# KiCad board Bread70.kicad_pcb
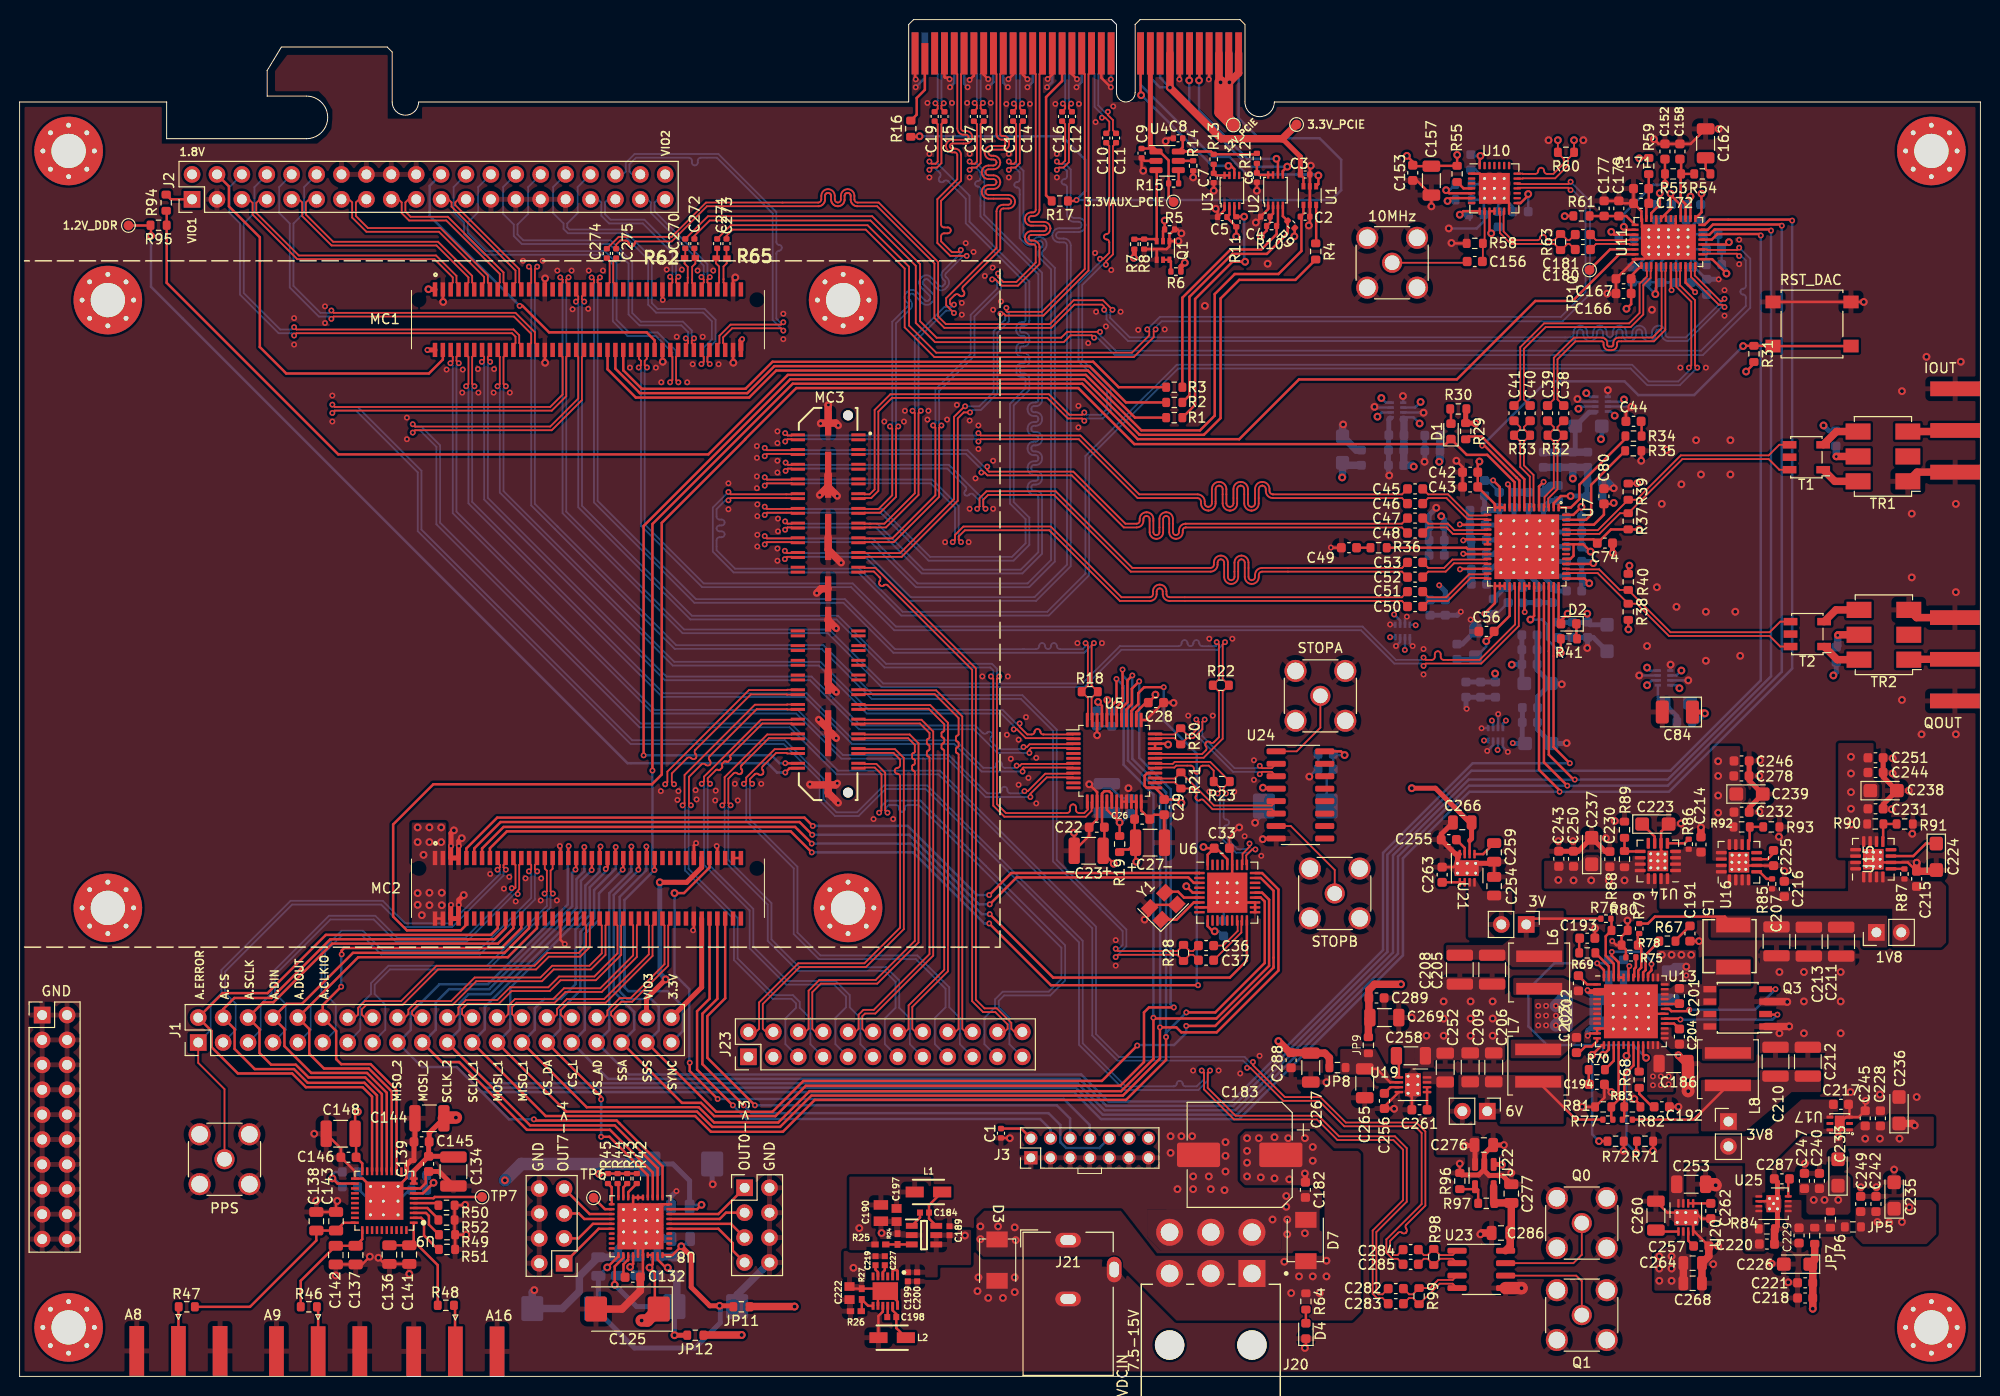
[diagram p0: board, top side]
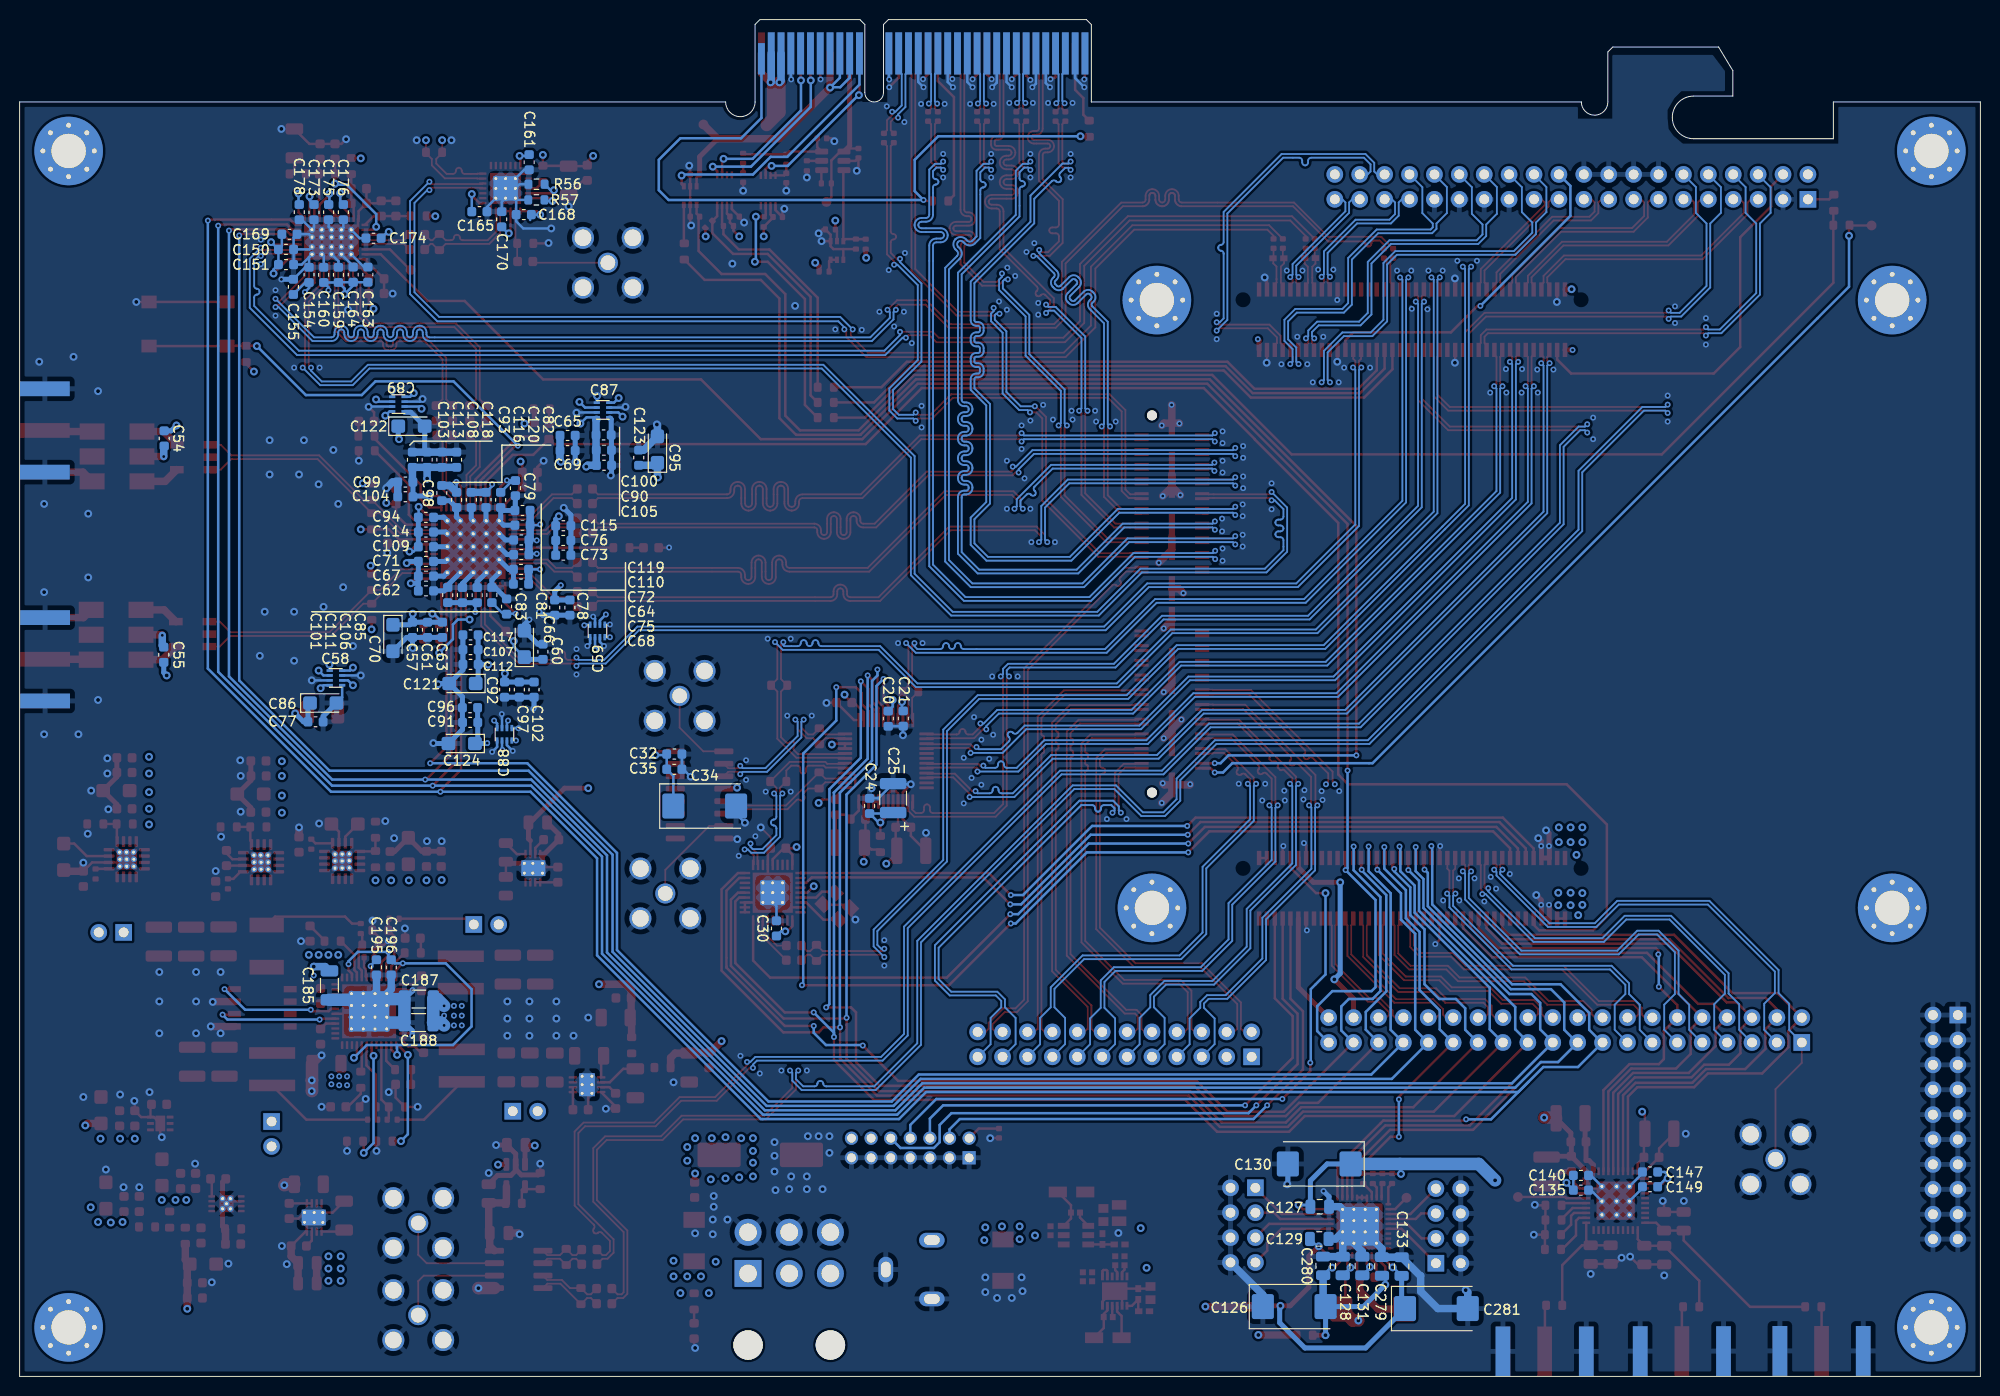
[diagram p1: board, bottom side, seen from below]

Outline 200 x 138.4 mm; copper layers: Top, In1.Cu, In2.Cu, In3.Cu, In4.Cu, Bottom. Coordinates in mm from the lower left corner of the outline.
Outline path: 90.69,130 40.7,130 arc(39.35,128.65) 38,130 38,135.1 37.5,135.6 26.7,135.6 25.25,133.2 25.25,130.6 29.25,130.6 arc(31.42,128.43) 29.25,126.25 15,126.25 15,130 0,130 0,0 200,0 200,130 127.99,130 arc(126.49,128.5) 124.99,130
Stack: Top 0.035mm / dielectric 0.1mm FR4 er 4.5 / In1.Cu 0.035mm / dielectric 0.535mm FR4 er 4.5 / In2.Cu 0.035mm / dielectric 0.1mm FR4 er 4.5 / In3.Cu 0.035mm / dielectric 0.535mm FR4 er 4.5 / In4.Cu 0.035mm / dielectric 0.1mm FR4 er 4.5 / Bottom 0.035mm

## Placement (name value [footprint] x y rotation side)
C1  0.1u_10V  [C_0402_1005Metric]  100.1 24.8 270 top
C2  0.1u_10V  [C_0402_1005Metric]  131.12 118.3 0 top
C3  0.1u_10V  [C_0402_1005Metric]  131.12 122.6 0 top
C4  0.1u_10V  [C_0402_1005Metric]  127.07 118.31 180 top
C5  0.1u_10V  [C_0402_1005Metric]  122.67 118.26 180 top
C6  0.1u_10V  [C_0402_1005Metric]  126.2 122.29 270 top
C7  0.1u_10V  [C_0402_1005Metric]  121.8 122.24 270 top
C8  0.1u_10V  [C_0402_1005Metric]  118.16 126.29 180 top
C9  0.1u_10V  [C_0402_1005Metric]  114.44 124.77 270 top
C10  0.1u_10V  [C_0402_1005Metric]  110.84 126.32 90 top
C11  0.1u_10V  [C_0402_1005Metric]  111.84 126.32 90 top
C12  0.1u_10V  [C_0402_1005Metric]  107.34 128.52 270 top
C13  0.1u_10V  [C_0402_1005Metric]  98.34 128.52 270 top
C14  0.1u_10V  [C_0402_1005Metric]  102.34 128.52 270 top
C15  0.1u_10V  [C_0402_1005Metric]  94.34 128.52 270 top
C16  0.1u_10V  [C_0402_1005Metric]  106.34 128.52 270 top
C17  0.1u_10V  [C_0402_1005Metric]  97.34 128.52 270 top
C18  0.1u_10V  [C_0402_1005Metric]  101.34 128.52 270 top
C19  0.1u_10V  [C_0402_1005Metric]  93.34 128.52 270 top
C20  1u_16V  [C_0603_1608Metric]  111.4 67.09 90 bottom
C21  1u_16V  [C_0603_1608Metric]  109.87 67.11 90 bottom
C22  1u_16V  [C_0603_1608Metric]  109.87 56.02 180 top
C23  100u_6.3V  [C_1210_3225Metric]  109.04 53.62 180 top
C24  1u_16V  [C_0603_1608Metric]  113.3 58.19 90 bottom
C25  100u_6.3V  [C_1210_3225Metric]  110.9 58.99 90 bottom
C26  1u_16V  [C_0603_1608Metric]  114.5 56.84 0 top
C27  100u_6.3V  [C_1210_3225Metric]  115.3 54.44 0 top
C28  1u_16V  [C_0603_1608Metric]  115.9 68.73 180 top
C29  1u_16V  [C_0603_1608Metric]  116.75 58.07 90 top
C30  1u_16V  [C_0603_1608Metric]  122.8 45.7 90 bottom
C32  1u_35V  [C_0603_1608Metric]  133.22 63.48 180 bottom
C33  1u_16V  [C_0603_1608Metric]  122.62 53.88 180 top
C34  10u_35V  [CP_EIA-7343-20_Kemet-V_Pad2.25x2.55mm_HandSolder]  130.12 58.18 180 bottom
C35  1n_50V  [C_0603_1608Metric]  133.22 61.93 180 bottom
C36  0.1u_50V  [C_0603_1608Metric]  121.02 43.94 180 top
C37  0.1u_50V  [C_0603_1608Metric]  121.02 42.45 180 top
C38  0.01u_25V  [C_0603_1608Metric]  157.5 98.25 90 top
C39  0.01u_25V  [C_0603_1608Metric]  155.85 98.25 90 top
C40  1u_6.3V  [C_0603_1608Metric]  154.07 98.25 90 top
C41  1u_6.3V  [C_0603_1608Metric]  152.43 98.25 90 top
C42  0.1u_100V  [C_0603_1608Metric]  147.96 92.23 180 top
C43  1n_50V  [C_0603_1608Metric]  147.96 90.73 180 top
C44  1u_6.3V  [C_0603_1608Metric]  164.62 97.42 0 top
C45  0.1u_6.3V  [C_0603_1608Metric]  142.34 90.53 0 top
C46  0.1u_6.3V  [C_0603_1608Metric]  142.34 89.03 0 top
C47  0.1u_6.3V  [C_0603_1608Metric]  142.34 87.55 0 top
C48  0.1u_6.3V  [C_0603_1608Metric]  142.34 86.03 0 top
C49  1u_6.3V  [C_0603_1608Metric]  135.59 84.53 180 top
C50  0.1u_6.3V  [C_0603_1608Metric]  142.34 78.53 0 top
C51  0.1u_6.3V  [C_0603_1608Metric]  142.34 80.05 0 top
C52  0.1u_6.3V  [C_0603_1608Metric]  142.34 81.53 0 top
C53  0.1u_6.3V  [C_0603_1608Metric]  142.34 83.03 0 top
C54  1u_10V  [C_0603_1608Metric]  185.25 95.68 270 bottom
C55  1u_10V  [C_0603_1608Metric]  185.3 73.61 90 bottom
C56  0.1u_16V  [C_0603_1608Metric]  149.62 75.99 0 top
C57  1000p_50V  [C_0603_1608Metric]  159.93 76.15 90 bottom
C58  47n_6.3V  [C_SMD_Arrayx4_0508]  167.1 70.5 0 bottom
C59  47n_6.3V  [C_SMD_Arrayx4_0508]  140.31 76.67 270 bottom
C60  1000p_50V  [C_0603_1608Metric]  146.62 73.92 270 bottom
C61  0.1u_16V  [C_0603_1608Metric]  158.4 76.15 90 bottom
C62  0.1u_16V  [C_0603_1608Metric]  158.56 80.13 0 bottom
C63  0.1u_16V  [C_0603_1608Metric]  156.88 76.15 90 bottom
C64  0.1u_16V  [C_0603_1608Metric]  148.83 83.83 180 bottom
C65  0.1u_16V  [C_0603_1608Metric]  144.11 95.98 0 bottom
C66  10u_10V  [CP_EIA-3216-18_Kemet-A]  148.52 74.72 90 bottom
C67  0.1u_16V  [C_0603_1608Metric]  158.56 81.63 0 bottom
C68  0.1u_16V  [C_0603_1608Metric]  148.85 80.83 180 bottom
C69  1000p_50V  [C_0603_1608Metric]  144.11 94.43 0 bottom
C70  10u_10V  [CP_EIA-3216-18_Kemet-A]  161.92 75.32 270 bottom
C71  1000p_50V  [C_0603_1608Metric]  158.56 83.13 0 bottom
C72  1000p_50V  [C_0603_1608Metric]  148.83 85.32 180 bottom
C73  0.1u_16V  [C_0603_1608Metric]  144.54 83.77 0 bottom
C74  1000p_50V  [C_0603_1608Metric]  161.7 85 180 top
C75  1000p_50V  [C_0603_1608Metric]  148.85 82.32 180 bottom
C76  1000p_50V  [C_0603_1608Metric]  144.54 85.27 0 bottom
C77  0.1u_16V  [C_0603_1608Metric]  169.81 66.77 0 bottom
C78  0.1u_16V  [C_0603_1608Metric]  143.87 78.42 90 bottom
C79  1000p_50V  [C_0603_1608Metric]  149.43 90.6 90 bottom
C80  1000p_50V  [C_0603_1608Metric]  161.6 89.78 270 top
C81  1000p_50V  [C_0603_1608Metric]  145.42 78.42 90 bottom
C82  1000p_50V  [C_0603_1608Metric]  150.93 89.4 90 bottom
C83  0.1u_16V  [C_0603_1608Metric]  150.33 78.53 270 bottom
C84  4.7u_35V  [CP_EIA-3528-21_Kemet-B]  169.09 67.77 180 top
C85  1000p_50V  [C_0603_1608Metric]  151.83 79.7 270 bottom
C86  10u_10V  [CP_EIA-3216-18_Kemet-A]  169.03 68.69 180 bottom
C87  47n_6.3V  [C_SMD_Arrayx4_0508]  139.86 97.83 0 bottom
C88  47n_6.3V  [C_SMD_Arrayx4_0508]  149.79 66.13 270 bottom
C89  47n_6.3V  [C_SMD_Arrayx4_0508]  162 99.93 180 bottom
C90  1000p_50V  [C_0603_1608Metric]  140.41 94.48 0 bottom
C91  0.1u_16V  [C_0603_1608Metric]  154.04 66.71 180 bottom
C92  0.1u_16V  [C_0603_1608Metric]  150.53 70.05 90 bottom
C93  0.1u_16V  [C_0603_1608Metric]  155.43 89.4 90 bottom
C94  0.1u_16V  [C_0603_1608Metric]  158.56 87.63 0 bottom
C95  0.1u_16V  [C_0603_1608Metric]  136.84 93.71 270 bottom
C96  0.1u_16V  [C_0603_1608Metric]  154.06 68.21 180 bottom
C97  0.1u_16V  [C_0603_1608Metric]  149.03 70.05 90 bottom
C98  0.1u_16V  [C_0603_1608Metric]  156.93 90.1 90 bottom
C99  0.1u_16V  [C_0603_1608Metric]  160.66 91.23 180 bottom
C100  0.1u_16V  [C_0603_1608Metric]  140.43 96.03 0 bottom
C101  0.1u_16V  [C_0603_1608Metric]  156.33 79.7 270 bottom
C102  1000p_50V  [C_0603_1608Metric]  147.53 70.05 90 bottom
C103  1000p_50V  [C_0603_1608Metric]  159.93 93.5 270 bottom
C104  1000p_50V  [C_0603_1608Metric]  160.66 89.73 180 bottom
C105  1000p_50V  [C_0603_1608Metric]  140.4 92.94 0 bottom
C106  1000p_50V  [C_0603_1608Metric]  153.33 79.69 270 bottom
C107  1000p_50V  [C_0603_1608Metric]  154.01 74.13 180 bottom
C108  1000p_50V  [C_0603_1608Metric]  156.93 93.5 270 bottom
C109  1000p_50V  [C_0603_1608Metric]  158.56 84.63 0 bottom
C110  1000p_50V  [C_0603_1608Metric]  148.71 86.83 180 bottom
C111  1000p_50V  [C_0603_1608Metric]  154.83 79.69 270 bottom
C112  0.1u_16V  [C_0603_1608Metric]  154.01 72.63 180 bottom
C113  0.1u_16V  [C_0603_1608Metric]  158.43 93.5 270 bottom
C114  1000p_50V  [C_0603_1608Metric]  158.56 86.13 0 bottom
C115  0.1u_16V  [C_0603_1608Metric]  144.55 86.77 0 bottom
C116  0.1u_16V  [C_0603_1608Metric]  153.93 89.4 90 bottom
C117  1000p_50V  [C_0603_1608Metric]  154.01 75.63 180 bottom
C118  1000p_50V  [C_0603_1608Metric]  155.43 93.5 270 bottom
C119  1000p_50V  [C_0603_1608Metric]  148.71 88.33 180 bottom
C120  1000p_50V  [C_0603_1608Metric]  152.43 89.4 90 bottom
C121  10u_10V  [CP_EIA-3216-18_Kemet-A]  154.83 70.68 0 bottom
C122  10u_10V  [CP_EIA-3216-18_Kemet-A]  160.03 96.93 180 bottom
C123  10u_10V  [CP_EIA-3216-18_Kemet-A]  134.94 94.54 90 bottom
C124  10u_10V  [CP_EIA-3216-18_Kemet-A]  154.91 64.56 0 bottom
C125  10u_35V  [CP_EIA-7343-20_Kemet-V_Pad2.25x2.55mm_HandSolder]  61.99 6.87 180 top
C126  10u_50V  [CP_EIA-7343-20_Kemet-V_Pad2.25x2.55mm_HandSolder]  69.99 7.12 180 bottom
C127  0.22u_50V  [C_0805_2012Metric]  67.39 17.31 180 bottom
C128  0.22u_50V  [C_0805_2012Metric]  65.04 11.26 90 bottom
C129  0.22u_100V  [C_0805_2012Metric]  67.44 14.02 180 bottom
C130  10u_35V  [CP_EIA-7343-20_Kemet-V_Pad2.25x2.55mm_HandSolder]  67.44 21.67 0 bottom
C131  330p_250V  [C_0805_2012Metric]  63.04 11.26 270 bottom
C132  220n_100V  [C_0603_1608Metric]  62.54 10.12 180 top
C133  0.22u_50V  [C_0805_2012Metric]  59.03 11.21 90 bottom
C134  22u_16V  [C_1210_3225Metric]  44.25 20.9 270 top
C135  0.22u_16V  [C_0603_1608Metric]  40.75 19 0 bottom
C136  1u_50V  [C_0805_2012Metric]  37.72 12.42 270 top
C137  1u_50V  [C_0805_2012Metric]  34.28 12.37 270 top
C138  1u_50V  [C_0805_2012Metric]  30.27 15.82 90 top
C139  0.47u_16V  [C_0603_1608Metric]  41.72 21.68 270 top
C140  2.2u_10V  [C_0603_1608Metric]  40.75 20.5 0 bottom
C141  0.1u_50V  [C_0805_2012Metric]  39.75 12.42 270 top
C142  0.1u_50V  [C_0805_2012Metric]  32.25 12.37 270 top
C143  0.1u_50V  [C_0805_2012Metric]  32.28 15.82 90 top
C144  22u_16V  [C_1210_3225Metric]  41.8 26.33 180 top
C145  0.47u_16V  [C_0603_1608Metric]  41 23.93 180 top
C146  0.47u_16V  [C_0603_1608Metric]  33.55 22.35 180 top
C147  2.2u_10V  [C_0603_1608Metric]  33.7 20.85 180 bottom
C148  22u_16V  [C_1210_3225Metric]  32.75 24.75 180 top
C149  0.22u_16V  [C_0603_1608Metric]  33.7 19.34 180 bottom
C150  0.01u_50V  [C_0603_1608Metric]  172.83 114.96 180 bottom
C151  0.1u_16V  [C_0603_1608Metric]  172.83 113.41 0 bottom
C152  0.85n_100V  [C_0603_1608Metric]  167.83 124.95 270 top
C153  1u_35V  [C_0603_1608Metric]  142.1 122.78 270 top
C154  0.01u_50V  [C_0603_1608Metric]  170.48 112.36 90 bottom
C155  0.1u_16V  [C_0603_1608Metric]  172.08 111.14 270 bottom
C156  1u_25V  [C_0603_1608Metric]  148.43 113.72 0 top
C157  10u_25V  [C_1206_3216Metric]  144 121.97 270 top
C158  1.28n_100V  [C_0603_1608Metric]  169.35 124.95 270 top
C159  0.01u_50V  [C_0603_1608Metric]  167.48 112.36 90 bottom
C160  0.1u_16V  [C_0603_1608Metric]  168.98 112.36 270 bottom
C161  0.1u_16V  [C_0603_1608Metric]  148.03 123.86 90 bottom
C162  61.3n_50V  [C_1206_3216Metric]  171.97 125.78 270 top
C163  0.01u_50V  [C_0603_1608Metric]  164.48 112.39 90 bottom
C164  0.1u_16V  [C_0603_1608Metric]  165.98 112.39 270 bottom
C165  0.1u_16V  [C_0603_1608Metric]  153.1 118.81 0 bottom
C166  0.01u_50V  [C_0603_1608Metric]  163.6 110.46 180 top
C167  0.1u_16V  [C_0603_1608Metric]  163.6 111.96 0 top
C168  0.1u_16V  [C_0603_1608Metric]  148.58 118.51 180 bottom
C169  0.01u_50V  [C_0603_1608Metric]  172.48 116.51 180 bottom
C170  0.1u_16V  [C_0603_1608Metric]  150.83 118.04 270 bottom
C171  1u_35V  [C_0603_1608Metric]  165.39 121.16 180 top
C172  0.01u_50V  [C_0603_1608Metric]  165.39 119.66 180 top
C173  0.47u_50V  [C_0603_1608Metric]  169.98 118.76 90 bottom
C174  0.1u_16V  [C_0603_1608Metric]  163.9 116.1 180 bottom
C175  1u_35V  [C_0603_1608Metric]  168.48 118.76 90 bottom
C176  1u_35V  [C_0603_1608Metric]  166.98 118.76 90 bottom
C177  1u_35V  [C_0603_1608Metric]  161.62 119.14 90 top
C178  0.01u_50V  [C_0603_1608Metric]  171.48 118.76 90 bottom
C179  0.01u_50V  [C_0603_1608Metric]  163.12 119.14 90 top
C180  1u_35V  [C_0603_1608Metric]  159.45 114.95 0 top
C181  1u_35V  [C_0603_1608Metric]  159.45 116.47 0 top
C182  0.1u_50V  [C_0603_1608Metric]  131.15 19.03 270 top
C183  220u_35V  [CP_Elec_10x10.5]  124.45 22.6 180 top
C184  0.1uF  [CAPC1005X55N]  92.3 16.71 180 top
C185  10u_25V  [C_1206_3216Metric]  168.4 39.89 270 bottom
C186  10u_25V  [C_1206_3216Metric]  168.7 31.9 0 top
C187  10u_25V  [C_1206_3216Metric]  159.28 38.49 0 bottom
C188  10u_25V  [C_1206_3216Metric]  159.3 36.09 0 bottom
C189  4.7 uF  [CAPC1005X55N]  94.85 14.86 270 top
C190  10 uF  [CAPC2012X145N]  87.85 16.66 270 top
C191  5000p_25V  [C_0603_1608Metric]  170.38 45.17 90 top
C192  10n_16V  [C_0603_1608Metric]  167.5 27.5 180 top
C193  1.7n_25V  [C_0603_1608Metric]  159.9 44.7 180 top
C194  1.7n_25V  [C_0603_1608Metric]  160.88 29.79 180 top
C195  1u_25V  [C_0603_1608Metric]  163.6 41.72 90 bottom
C196  1u_25V  [C_0603_1608Metric]  162.1 41.72 90 bottom
C197  22uF  [CAPC1608X100N]  89.45 16.46 270 top
C198  0.1uF  [CAPC1005X55N]  88.96 6.05 180 top
C199  4.7 uF  [CAPC1005X55N]  90.6 10.16 90 top
C200  4.7 uF  [CAPC1005X55N]  91.55 10.16 90 top
C201  0.1u_25V  [C_0603_1608Metric]  169.3 38.8 90 top
C202  0.1u_25V  [C_0603_1608Metric]  159 40.1 270 top
C203  0.1u_25V  [C_0603_1608Metric]  158.8 33.8 90 top
C204  0.1u_25V  [C_0603_1608Metric]  169.3 34.66 270 top
C205  22u_16V  [C_1210_3225Metric]  150.2 41.49 90 top
C206  10u_25V  [C_1206_3216Metric]  150.36 31.53 270 top
C207  47u_10V  [C_1210_3225Metric]  179.2 44.38 270 top
C208  22u_16V  [C_1210_3225Metric]  146.9 41.49 90 top
C209  10u_25V  [C_1206_3216Metric]  147.96 31.52 270 top
C210  22u_16V  [C_1210_3225Metric]  179.1 32.1 270 top
C211  47u_10V  [C_1210_3225Metric]  185.8 44.35 270 top
C212  22u_16V  [C_1210_3225Metric]  182.4 32.1 270 top
C213  47u_10V  [C_1210_3225Metric]  182.5 44.35 270 top
C214  4.7u_10V  [C_0603_1608Metric]  171.5 54.25 90 top
C215  4.7u_10V  [C_0603_1608Metric]  193.5 50.75 90 top
C216  4.7u_10V  [C_0603_1608Metric]  180 49.72 90 top
C217  4.7u_10V  [C_0603_1608Metric]  185.78 27.75 0 top
C218  0.1u_16V  [C_0603_1608Metric]  182.12 8 180 top
C219  2.2uF  [CAPC1005X55N]  87.3 11.8 90 top
C220  4.7u_10V  [C_0603_1608Metric]  178.22 13.5 0 top
C221  0.1u_25V  [C_0603_1608Metric]  182.13 9.55 180 top
C222  22uF  [CAPC1608X100N]  84.65 8.5 270 top
C223  10u_10V  [CP_EIA-3216-18_Kemet-A]  166.85 56.34 0 top
C224  10u_10V  [CP_EIA-3216-18_Kemet-A]  195.5 53 270 top
C225  10n_100V  [C_0603_1608Metric]  178.9 52.88 90 top
C226  10u_10V  [CP_EIA-3216-18_Kemet-A]  181.3 11.45 180 top
C227  5.6 nF  [CAPC1005X55N]  88.25 11.8 270 top
C228  4.7u_10V  [C_0603_1608Metric]  189.8 26.32 90 top
C229  4.7u_10V  [C_0603_1608Metric]  181.5 14.38 270 top
C230  4.7u_10V  [C_0603_1608Metric]  162.2 52.76 90 top
C231  4.7u_10V  [C_0603_1608Metric]  189.31 57.9 0 top
C232  4.7u_10V  [C_0603_1608Metric]  175.65 57.56 0 top
C233  10u_10V  [CP_EIA-3216-18_Kemet-A]  185.48 20.8 90 top
C235  10u_10V  [CP_EIA-3216-18_Kemet-A]  191.2 18.45 90 top
C236  10u_10V  [CP_EIA-3216-18_Kemet-A]  191.7 27.15 90 top
C237  10u_10V  [CP_EIA-3216-18_Kemet-A]  160.35 53.59 90 top
C238  10u_10V  [CP_EIA-3216-18_Kemet-A]  190.13 59.75 0 top
C239  10u_10V  [CP_EIA-3216-18_Kemet-A]  176.45 59.4 0 top
C240  0.1u_25V  [C_0603_1608Metric]  183.58 19.94 90 top
C242  0.1u_25V  [C_0603_1608Metric]  189.35 17.59 90 top
C243  0.1u_16V  [C_0603_1608Metric]  157 52.79 90 top
C244  0.1u_16V  [C_0603_1608Metric]  189.31 61.6 0 top
C245  0.1u_16V  [C_0603_1608Metric]  188.25 26.33 90 top
C246  0.1u_16V  [C_0603_1608Metric]  175.64 62.78 0 top
C247  0.1u_16V  [C_0603_1608Metric]  182.05 19.94 90 top
C249  0.1u_16V  [C_0603_1608Metric]  187.79 17.59 90 top
C250  0.1u_16V  [C_0603_1608Metric]  158.5 52.79 90 top
C251  0.1u_16V  [C_0603_1608Metric]  189.31 63.1 0 top
C252  10u_25V  [C_1206_3216Metric]  145.41 31.5 90 top
C253  10u_25V  [C_1206_3216Metric]  170.5 19.6 0 top
C254  10u_16V  [C_0805_2012Metric]  150.4 50 90 top
C255  1u_16V  [C_0603_1608Metric]  145.78 54.75 180 top
C256  1u_25V  [C_0603_1608Metric]  139.21 28.1 270 top
C257  1u_25V  [C_0603_1608Metric]  171.52 13.3 0 top
C258  10u_25V  [C_1206_3216Metric]  141.91 32.7 0 top
C259  10u_16V  [C_0805_2012Metric]  150.4 53.45 270 top
C260  10u_25V  [C_1206_3216Metric]  166.9 16.4 90 top
C261  1u_25V  [C_0603_1608Metric]  142.79 27.2 180 top
C262  1u_25V  [C_0603_1608Metric]  172.5 16.88 270 top
C263  1u_16V  [C_0603_1608Metric]  145.1 51.17 90 top
C264  10u_16V  [C_0805_2012Metric]  170.65 11.55 0 top
C265  10u_25V  [C_1206_3216Metric]  137.2 29.9 270 top
C266  10u_10V  [C_0805_2012Metric]  147.15 56.5 180 top
C267  10u_25V  [C_1206_3216Metric]  131.7 31.5 270 top
C268  10u_16V  [C_0805_2012Metric]  170.65 9.5 0 top
C269  10u_25V  [C_1206_3216Metric]  139.2 36.6 0 top
C270  0.1u_16V  [C_0402_1005Metric]  67.9 115.55 270 top
C271  0.1u_16V  [C_0402_1005Metric]  71.15 115.55 270 top
C272  0.1u_16V  [C_0402_1005Metric]  68.83 115.55 270 top
C273  0.1u_16V  [C_0402_1005Metric]  72.1 115.55 270 top
C274  0.1u_16V  [C_0402_1005Metric]  59.89 114.55 270 top
C275  0.1u_16V  [C_0402_1005Metric]  60.84 114.55 270 top
C276  4.7u_16V  [C_0805_2012Metric]  149.35 23.6 0 top
C277  4.7u_16V  [C_0805_2012Metric]  152.15 18.65 90 top
C278  0.1u_16V  [C_0603_1608Metric]  175.62 61.25 0 top
C279  0.22u_50V  [C_0805_2012Metric]  61.04 11.22 90 bottom
C280  0.22u_100V  [C_0805_2012Metric]  67.04 11.27 90 bottom
C281  10u_50V  [CP_EIA-7343-20_Kemet-V_Pad2.25x2.55mm_HandSolder]  55.49 6.92 180 bottom
C282  1n_50V  [C_0603_1608Metric]  140.37 8.96 0 top
C283  1n_50V  [C_0603_1608Metric]  140.37 7.42 180 top
C284  1n_50V  [C_0603_1608Metric]  141.89 12.94 0 top
C285  1n_50V  [C_0603_1608Metric]  141.89 11.44 180 top
C286  4.7u_16V  [C_0805_2012Metric]  151.1 14.63 180 top
C287  10n_100V  [C_0603_1608Metric]  179.75 20.15 0 top
C288  0.1u_25V  [C_0603_1608Metric]  129.69 32.25 270 top
C289  0.1u_25V  [C_0603_1608Metric]  138.4 38.6 0 top
D1  LED  [LED_0603_1608Metric]  146 96.4 90 top
D2  LED  [LED_0603_1608Metric]  158.01 76.77 180 top
D3  SMBJ12CA-TR  [DO-214AA-2]  99.7 11.86 270 top
D4  598-8070-107F  [LED_0603_1608Metric]  131.2 4.64 90 top
D7  SMBJ12CA-TR  [DO-214AA-2]  131.2 13.86 90 top
H1  MountingHole  [MountingHole_3.5mm_Pad_Via]  9 109.79 0 top
H2  MountingHole  [MountingHole_3.5mm_Pad_Via]  84 109.79 0 top
H3  MountingHole  [MountingHole_3.5mm_Pad_Via]  9 47.79 0 top
H4  MountingHole  [MountingHole_3.5mm_Pad_Via]  84.5 47.79 0 top
H5  MountingHole  [MountingHole_3.5mm_Pad_Via]  5 125 0 top
H6  MountingHole  [MountingHole_3.5mm_Pad_Via]  5 5 0 top
H7  MountingHole  [MountingHole_3.5mm_Pad_Via]  195 125 0 top
H8  MountingHole  [MountingHole_3.5mm_Pad_Via]  195 5 0 top
IC1  LMR50410XFDBVR  [SOT95P280X145-6N]  92.25 14.41 0 top
IC2  MAX17577ATC+  [SON50P300X300X80-13N]  88.3 8.7 270 top
J1  Conn_02x20_Odd_Even  [PinHeader_2x20_P2.54mm_Vertical]  18.22 34.06 90 top
J2  Conn_02x20_Odd_Even  [PinHeader_2x20_P2.54mm_Vertical]  17.59 120.07 90 top
J3  Conn_02x07_Odd_Even  [Molex_JTAG_14]  109.15 23.3 0 top
J4  BTE-040-01-F-D-A  [BTE-040-YY-X-D-A]  57.97 49.79 0 top
J5  BTE-040-01-F-D-A  [BTE-040-YY-X-D-A]  57.97 107.79 0 top
J6  Conn_Coaxial  [SMA_Amphenol_132134_Vertical]  20.9 22.15 0 top
J7  QTH-040-01-F-D-DP-A  [SAMTEC_QTH-040-01-X-D-DP-A]  82.47 78.79 270 top
J8  Bus_PCI_Express_x4  [BUS_PCIexpress_x4]  124.34 134.95 180 top
J9  Conn_02x04_Odd_Even  [PinHeader_2x04_P2.54mm_Vertical]  73.95 19.24 0 top
J10  132289  [SMA_Amphenol_132289_EdgeMount]  44.45 2.55 270 top
J11  Conn_Coaxial  [SMA_Amphenol_132134_Vertical]  132.68 69.42 0 top
J12  Conn_Coaxial  [SMA_Amphenol_132134_Vertical]  134.14 49.26 0 top
J13  132289  [SMA_Amphenol_132289_EdgeMount]  197.4 73.15 0 top
J14  132289  [SMA_Amphenol_132289_EdgeMount]  197.43 96.49 0 top